# Altium PCB 10515.0461_全联供输出板(2拼版)_V1.0.PcbDoc (part 9 of 9)
Units mm, origin at the board's own origin, x right, y up, seen from the top; angles counter-clockwise.
Board outline 283.88 x 134.8 mm, 2 copper layers (Top Layer, Bottom Layer); 298 components, 0 nets, 1264 pads, 970 vias.
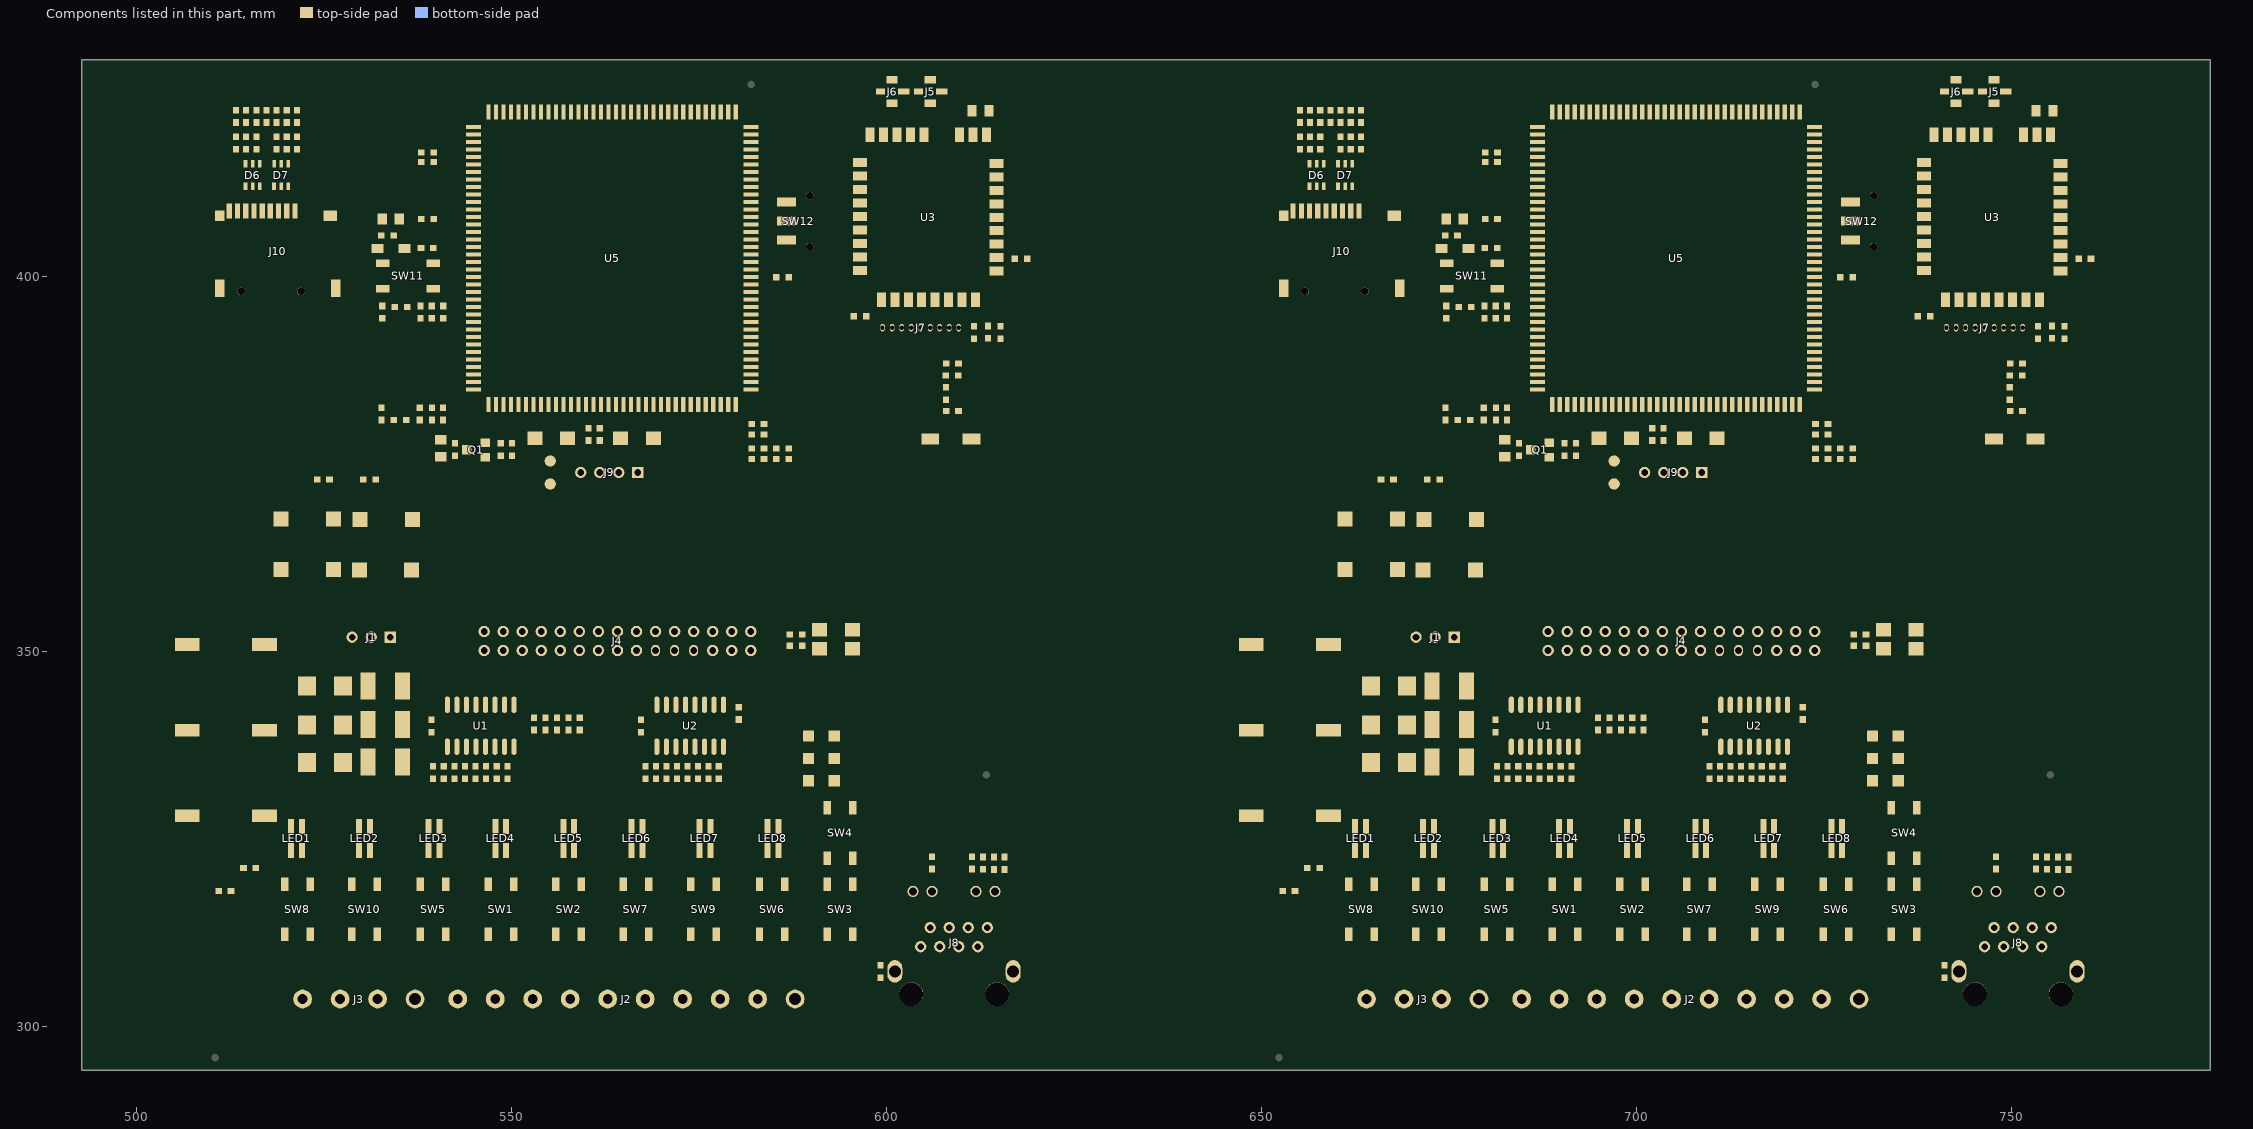
[diagram p9: the components of this part, seen from the top]

## Other copper
Top Layer:
  pour cut-out: 726.735,348.943 737.657,348.943 738.038,349.324 738.038,354.277 737.911,354.404 729.656,354.404 729.402,354.15 729.402,351.61
  pour cut-out: 713.781,345.768 716.321,345.768 716.575,345.514 716.575,342.974 716.194,342.593 713.527,342.593 713.4,342.72 713.4,345.387
  pour cut-out: 667.158,369.682 667.158,359.879 667.299,359.738 666.791,359.23 662.854,359.23 662.346,359.738 662.346,365.961 666.067,369.682
  pour cut-out: 672.76,368.755 672.76,359.331 673.141,358.95 675.834,358.95 677.205,357.579 677.205,366.469 675.046,368.628 672.887,368.628
  pour cut-out: 730.672,339.926 734.609,339.926 734.609,331.544 734.736,331.417 730.799,331.417 730.799,339.799
  pour cut-out: 675.902,347.038 677.299,345.641 677.299,334.752 678.475,333.576 680.761,333.576 680.761,331.255 677.113,327.607 661.203,327.607 660.441,328.369 660.441,333.068 660.695,333.322 657.012,333.322 656.631,333.703 656.631,349.578 658.409,351.356 658.409,351.229 662.6,347.038
  pour cut-out: 661.076,320.368 665.394,320.368 665.521,320.241 665.521,313.64 666.918,312.243 668.699,312.243 669.839,313.383 674.411,313.383 674.411,309.446 674.157,309.192 662.6,309.192 661.33,310.462 661.33,320.114
  pour cut-out: 695.62,357.198 695.62,350.086 696.509,349.197 713.654,349.197 714.416,349.959 714.416,355.674 713.019,357.071 695.874,357.071
  pour cut-out: 669.458,322.654 669.458,312.494 669.712,312.24 674.284,312.24 674.665,312.621 674.665,322.146 674.157,322.654
  pour cut-out: 736.133,426.794 736.133,393.774 736.387,393.52 757.723,393.52 758.612,394.409 758.612,427.302 757.088,427.048 736.26,427.048
  pour cut-out: 744.769,322.4 757.088,322.4 758.358,321.13 758.358,318.209 755.818,315.669 755.818,310.843 754.802,309.827 754.294,310.335 746.166,310.335 745.404,311.097 745.404,316.939 744.769,317.574
  pour cut-out: 690.032,346.022 690.032,343.468 692.328,341.173 702.455,341.173 703.113,341.831 703.113,349.451 702.859,349.705 696.763,349.705 693.08,346.022
  pour cut-out: 681.015,349.07 681.65,349.705 695.112,349.705 695.112,348.054 694.223,347.165 681.142,347.165 680.761,346.784 680.761,349.324 681.015,349.578
  pour cut-out: 733.593,348.816 736.26,348.816 736.133,354.023 733.339,354.023 733.466,348.943
  pour cut-out: 693.334,381.582 701.97,381.582 702.224,381.328 702.224,379.931 701.843,379.55 698.795,379.55 698.287,379.042 698.922,378.407 698.922,376.121 698.668,375.867 696.509,375.867 695.366,377.01 695.366,379.144 694.96,379.55 693.461,379.55 693.334,379.677
  pour cut-out: 584.835,348.943 595.757,348.943 596.138,349.324 596.138,354.277 596.011,354.404 587.756,354.404 587.502,354.15 587.502,351.61
  pour cut-out: 571.881,345.768 574.421,345.768 574.675,345.514 574.675,342.974 574.294,342.593 571.627,342.593 571.5,342.72 571.5,345.387
  pour cut-out: 525.258,369.682 525.258,359.879 525.399,359.738 524.891,359.23 520.954,359.23 520.446,359.738 520.446,365.961 524.167,369.682
  pour cut-out: 530.86,368.755 530.86,359.331 531.241,358.95 533.934,358.95 535.305,357.579 535.305,366.469 533.146,368.628 530.987,368.628
  pour cut-out: 588.772,339.926 592.709,339.926 592.709,331.544 592.836,331.417 588.899,331.417 588.899,339.799
  pour cut-out: 534.002,347.038 535.399,345.641 535.399,334.752 536.575,333.576 538.861,333.576 538.861,331.255 535.213,327.607 519.303,327.607 518.541,328.369 518.541,333.068 518.795,333.322 515.112,333.322 514.731,333.703 514.731,349.578 516.509,351.356 516.509,351.229 520.7,347.038
  pour cut-out: 519.176,320.368 523.494,320.368 523.621,320.241 523.621,313.64 525.018,312.243 526.799,312.243 527.939,313.383 532.511,313.383 532.511,309.446 532.257,309.192 520.7,309.192 519.43,310.462 519.43,320.114
  pour cut-out: 553.72,357.198 553.72,350.086 554.609,349.197 571.754,349.197 572.516,349.959 572.516,355.674 571.119,357.071 553.974,357.071
  pour cut-out: 527.558,322.654 527.558,312.494 527.812,312.24 532.384,312.24 532.765,312.621 532.765,322.146 532.257,322.654
  pour cut-out: 594.233,426.794 594.233,393.774 594.487,393.52 615.823,393.52 616.712,394.409 616.712,427.302 615.188,427.048 594.36,427.048
  pour cut-out: 602.869,322.4 615.188,322.4 616.458,321.13 616.458,318.209 613.918,315.669 613.918,310.843 612.902,309.827 612.394,310.335 604.266,310.335 603.504,311.097 603.504,316.939 602.869,317.574
  pour cut-out: 548.132,346.022 548.132,343.468 550.428,341.173 560.555,341.173 561.213,341.831 561.213,349.451 560.959,349.705 554.863,349.705 551.18,346.022
  pour cut-out: 539.115,349.07 539.75,349.705 553.212,349.705 553.212,348.054 552.323,347.165 539.242,347.165 538.861,346.784 538.861,349.324 539.115,349.578
  pour cut-out: 591.693,348.816 594.36,348.816 594.233,354.023 591.439,354.023 591.566,348.943
  pour cut-out: 551.434,381.582 560.07,381.582 560.324,381.328 560.324,379.931 559.943,379.55 556.895,379.55 556.387,379.042 557.022,378.407 557.022,376.121 556.768,375.867 554.609,375.867 553.466,377.01 553.466,379.144 553.06,379.55 551.561,379.55 551.434,379.677
Bottom Layer:
  pour cut-out: 688,349.07 710.685,349.07 711.066,349.451 711.066,353.817 710.86,354.023 692.953,354.023
  pour cut-out: 669.966,308.811 668.696,307.541 668.696,301.953 673.649,301.953 673.776,302.08 673.776,308.557 673.522,308.811
  pour cut-out: 753.532,320.368 754.675,319.225 756.707,319.225 756.707,311.605 754.548,309.446 746.166,309.446 746.166,311.097 747.944,312.875 750.992,312.875 752.389,314.272 752.389,319.225
  pour cut-out: 685.079,345.26 688.254,345.26 689.016,346.022 689.016,344.117 688.381,343.482 685.714,343.482 685.079,344.117
  pour cut-out: 718.226,340.053 724.703,340.053 725.465,340.815 725.465,345.133 724.449,346.149 719.623,346.149 717.972,344.498 717.972,340.307
  pour cut-out: 546.1,349.07 568.785,349.07 569.166,349.451 569.166,353.817 568.96,354.023 551.053,354.023
  pour cut-out: 528.066,308.811 526.796,307.541 526.796,301.953 531.749,301.953 531.876,302.08 531.876,308.557 531.622,308.811
  pour cut-out: 611.632,320.368 612.775,319.225 614.807,319.225 614.807,311.605 612.648,309.446 604.266,309.446 604.266,311.097 606.044,312.875 609.092,312.875 610.489,314.272 610.489,319.225
  pour cut-out: 543.179,345.26 546.354,345.26 547.116,346.022 547.116,344.117 546.481,343.482 543.814,343.482 543.179,344.117
  pour cut-out: 576.326,340.053 582.803,340.053 583.565,340.815 583.565,345.133 582.549,346.149 577.723,346.149 576.072,344.498 576.072,340.307

## Silkscreen, mask and mechanical layers (free items; w line width, h text height)
Top Overlay:
  lines w0.127: 562.263,297.116 562.263,295.846 563.279,295.846 ; 563.914,294.703 566.136,296.925 ; 565.819,296.862 565.882,296.925 566.136,296.925 ; 566.073,296.608 566.136,296.671 566.136,296.925 ; 566.835,295.846 567.978,295.846 567.978,297.116 ; 572.169,297.116 572.169,295.846 573.185,295.846 ; 573.82,294.703 576.042,296.925 ; 575.725,296.862 575.788,296.925 576.042,296.925 ; 575.979,296.608 576.042,296.671 576.042,296.925 ; 576.741,295.846 577.884,295.846 577.884,297.116 ; 582.329,297.116 582.329,295.846 583.345,295.846 ; 583.98,294.703 586.202,296.925 ; 585.885,296.862 585.948,296.925 586.202,296.925 ; 586.139,296.608 586.202,296.671 586.202,296.925 ; 586.901,295.846 588.044,295.846 588.044,297.116 ; 704.163,297.116 704.163,295.846 705.179,295.846 ; 705.814,294.703 708.036,296.925 ; 707.719,296.862 707.782,296.925 708.036,296.925 ; 707.973,296.608 708.036,296.671 708.036,296.925 ; 708.735,295.846 709.878,295.846 709.878,297.116 ; 714.069,297.116 714.069,295.846 715.085,295.846 ; 715.72,294.703 717.942,296.925 ; 717.625,296.862 717.688,296.925 717.942,296.925 ; 717.879,296.608 717.942,296.671 717.942,296.925 ; 718.641,295.846 719.784,295.846 719.784,297.116 ; 724.229,297.116 724.229,295.846 725.245,295.846 ; 725.88,294.703 728.102,296.925 ; 727.785,296.862 727.848,296.925 728.102,296.925 ; 728.039,296.608 728.102,296.671 728.102,296.925 ; 728.801,295.846 729.944,295.846 729.944,297.116 ; 563.279,295.846 563.279,295.211 566.835,295.211 566.835,296.354 563.279,296.354 563.279,295.846 ; 573.185,295.846 573.185,296.354 576.741,296.354 576.741,295.211 573.185,295.211 573.185,295.846 ; 583.345,295.846 583.345,296.354 586.901,296.354 586.901,295.211 583.345,295.211 583.345,295.846 ; 705.179,295.846 705.179,295.211 708.735,295.211 708.735,296.354 705.179,296.354 705.179,295.846 ; 715.085,295.846 715.085,296.354 718.641,296.354 718.641,295.211 715.085,295.211 715.085,295.846 ; 725.245,295.846 725.245,296.354 728.801,296.354 728.801,295.211 725.245,295.211 725.245,295.846
  text "10515.0461_全联供输出板_V1.0" at 547.624,426.212 h2.5
  text "10515.0461_全联供输出板_V1.0" at 689.524,426.212 h2.5
  text "20200526H1.6Sn" at 550.545,423.672 h2.5
  text "20200526H1.6Sn" at 692.445,423.672 h2.5
  text "SD" at 592.328,410.919 h1.5
  text "SD" at 734.228,410.919 h1.5
  text "NANO" at 590.423,401.14 h1.5
  text "NANO" at 732.323,401.14 h1.5
  text "+24V" at 525.399,355.219 h2
  text "UART" at 529.971,355.219 h2
  text "+24V" at 667.299,355.219 h2
  text "UART" at 671.871,355.219 h2
  text "GND" at 535.051,355.166 h2
  text "GND" at 676.951,355.166 h2
  text "单线通讯" at 518.287,351.663 h2
  text "单线通讯" at 660.187,351.663 h2
  text "A2" at 546.608,296.037 h2
  text "A2" at 688.508,296.037 h2
  text "GND" at 556.167,295.994 h2
  text "GND" at 698.067,295.994 h2
  text "B2" at 551.976,295.973 h2
  text "B2" at 693.876,295.973 h2
  text "0-10V" at 524.891,295.933 h2
  text "0-10V" at 666.791,295.933 h2
  text "+24V" at 540.512,295.91 h2
  text "+24V" at 682.412,295.91 h2
  text "反馈端" at 530.225,295.73 h2
  text "反馈端" at 672.125,295.73 h2
  text "+24V" at 519.684,295.603 h2
  text "+24V" at 661.584,295.603 h2
  text "GND" at 535.94,295.529 h2
  text "GND" at 677.84,295.529 h2
  text "RS485" at 547.751,294.46 h2
  text "RS485" at 689.651,294.46 h2
  text "输出端" at 524.51,294.386 h2
  text "输出端" at 666.41,294.386 h2
Bottom Overlay:
  lines w0.127: 503.125,294.079 503.125,428.879 ; 624.125,294.079 624.125,428.879 ; 645.025,294.079 645.025,428.879 ; 766.025,294.079 766.025,428.879
Mechanical 8:
  drawing of 280 lines, arcs and shapes, not listed

## Text inside footprints (layer, text, board x,y; h text height)
J8: Bottom Overlay "2" at 754.357,308.475 h1.8; Bottom Overlay "8" at 746.229,309.364 h1.8 r180
J8: Bottom Overlay "2" at 612.457,308.475 h1.8; Bottom Overlay "8" at 604.329,309.364 h1.8 r180
U3: Top Overlay "TCM310" at 746.801,415.745 h1.8 r270
U3: Top Overlay "TCM310" at 604.901,415.745 h1.8 r270